# KiCad board EC60-Rev_1_1_1.kicad_pcb
title: EC60 PCB; date: 2023-11-17; rev: 1.1.1; company: LU.SV Solutions; note: Cipulot PCB Design; note: Cipulot; note: GNU General Public License v3.0
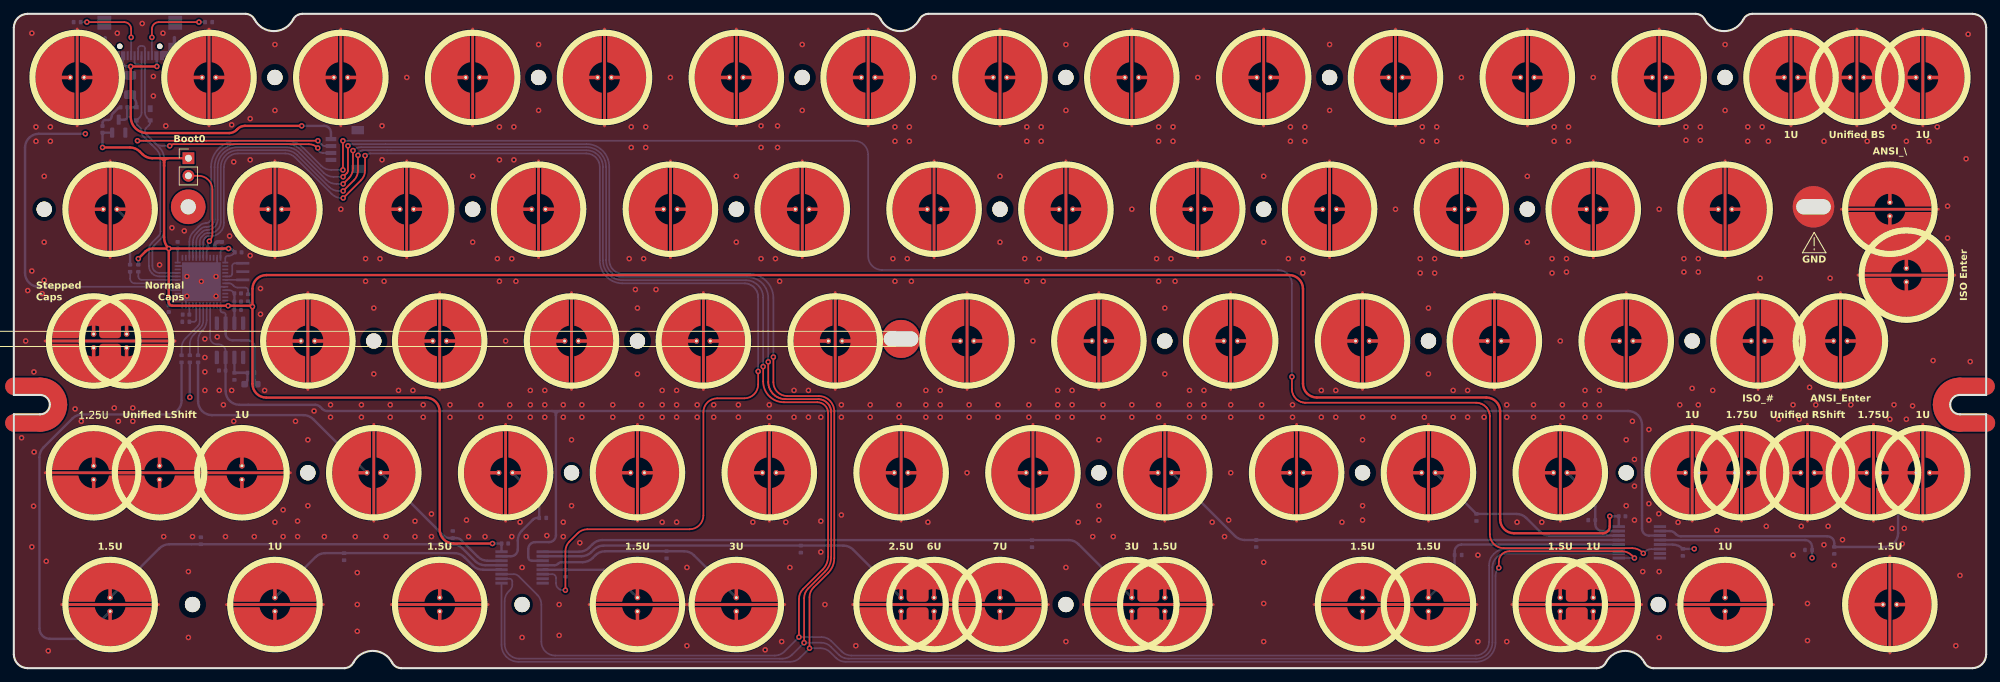
[diagram p0: board, top side]
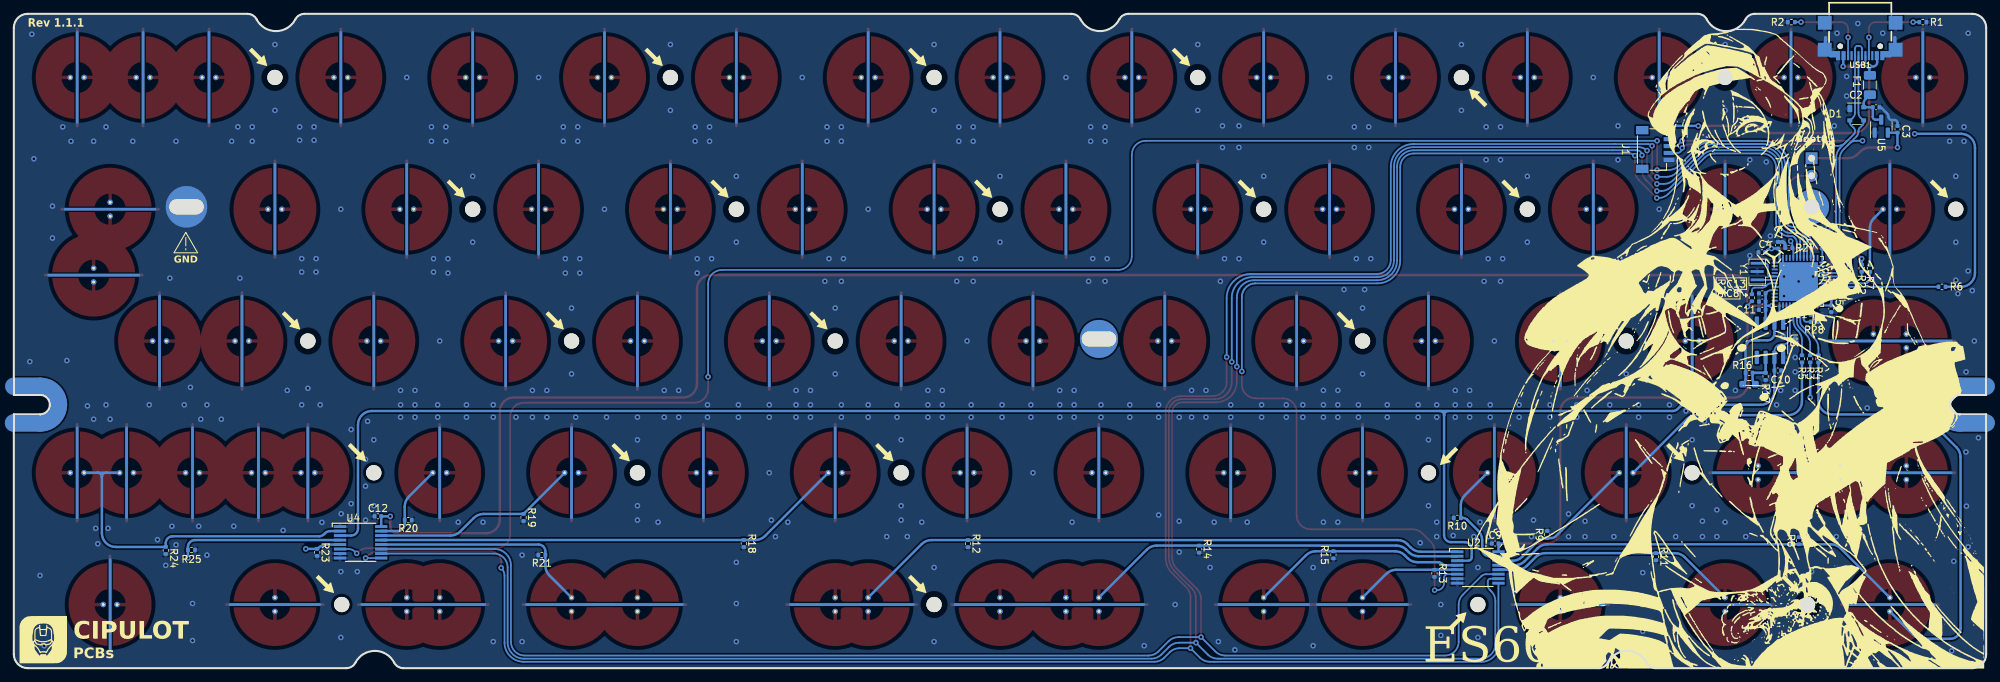
[diagram p1: board, bottom side, seen from below]

Outline 285 x 94.6 mm; copper layers: Top, In1.Cu, In2.Cu, Bottom. Coordinates in mm from the lower left corner of the outline.
Stack: Top 0.035mm / dielectric 0.2mm 7628 er 4.6 / In1.Cu 0.0175mm / dielectric 1.065mm FR4 er 4.5 / In2.Cu 0.0175mm / dielectric 0.2mm 7628 er 4.6 / Bottom 0.035mm

## Placement (name value [footprint] x y rotation side)
C1  4.7u  [C_0402_1005Metric]  24.88 51.11 180 bottom
C2  1u  [C_0402_1005Metric]  15.9 81.09 180 bottom
C3  1u  [C_0402_1005Metric]  12.81 77.9 90 bottom
C4  100n  [C_0402_1005Metric]  32.42 60.12 0 bottom
C5  100n  [C_0402_1005Metric]  22.39 51.97 270 bottom
C6  100n  [C_0402_1005Metric]  23.67 61.15 90 bottom
C7  100n  [C_0402_1005Metric]  30.07 61.14 90 bottom
C8  100n  [C_0402_1005Metric]  32.35 53 0 bottom
C9  100n  [C_0402_1005Metric]  70.95 18.02 180 bottom
C10  220p  [C_0402_1005Metric]  30.12 43.03 180 bottom
C11  100n  [C_0402_1005Metric]  32.35 51.81 180 bottom
C12  100n  [C_0402_1005Metric]  232.39 21.96 180 bottom
C13  1u  [C_0402_1005Metric]  32.35 54.19 0 bottom
D1  PRTR5V0U2X  [SOT-143]  18.7 80.14 180 bottom
F1  500mA  [Fuse_1206_3216Metric]  16.8 84.31 90 bottom
G***  LOGO  [EsdeathSilk]  35.93 47.3 180 bottom
G***#2  LOGO  [Cipulot_Logo_Silk]  271.09 4.12 180 bottom
H1  MountingHole  [HOLE_M2]  37.73 85.4 0 top
H2  MountingHole  [HOLE_M2]  152.03 85.4 0 top
H3  MountingHole  [HOLE_M2]  4.39 66.35 0 top
H4  MountingHole  [HOLE_M2]  42.49 28.25 0 top
H5  MountingHole  [HOLE_M2]  166.31 47.3 0 top
H6  MountingHole  [HOLE_M2]  52.01 47.3 0 top
H7  MountingHole  [HOLE_M2]  237.62 9.2 0 top
H8  MountingHole  [HOLE_M2]  75.83 85.4 180 top
H9  MountingHole  [HOLE_M2]  204.41 47.3 0 top
H10  MountingHole  [HOLE_M2]  242.51 47.3 0 top
H11  MountingHole  [HOLE_M2]  232.99 28.25 0 top
H12  MountingHole  [HOLE_M2]  156.79 28.25 0 top
H13  MountingHole  [HOLE_M2]  66.3 66.35 0 top
H14  MountingHole  [HOLE_M2]  218.7 66.35 0 top
H15  MountingHole  [HOLE_M2]  104.4 66.35 0 top
H16  MountingHole  [HOLE_M2]  180.6 66.35 0 top
H17  MountingHole  [HOLE_M2]  80.59 28.25 90 top
H18  MountingHole  [HOLE_M2]  194.89 28.25 0 top
H19  MountingHole  [HOLE_M2]  90.11 47.3 0 top
H20  MountingHole  [HOLE_M2]  113.93 85.4 0 top
H21  MountingHole  [HOLE_M2]  142.5 66.35 0 top
H22  MountingHole  [HOLE_M2]  190.12 85.4 0 top
H23  MountingHole  [HOLE_M2]  247.27 85.4 0 top
H24  MountingHole  [HOLE_M2]  25.82 9.2 0 top
H25  MountingHole  [HOLE_M2]  73.44 9.2 270 top
H26  MountingHole  [HOLE_M2]  152.03 9.2 0 top
J1  JST  [JST-SR-4]  47.76 74.98 270 bottom
JP1  Ext_Res  [R_0603_1608Metric_Pad0.98x0.95mm_HandSolder]  34.26 41.06 180 bottom
R1  5.1k  [R_0402_1005Metric]  9.15 93.4 0 bottom
R2  5.1k  [R_0402_1005Metric]  28.15 93.4 0 bottom
R3  100  [R_0402_1005Metric]  25.43 44.72 270 bottom
R4  100  [R_0402_1005Metric]  24.24 44.72 90 bottom
R5  100  [R_0402_1005Metric]  26.62 44.72 270 bottom
R6  100  [R_0402_1005Metric]  6.38 55.14 0 bottom
R7  100  [R_0402_1005Metric]  16.8 57.82 90 bottom
R8  100k  [R_0402_1005Metric]  27.02 18.42 90 bottom
R9  100k  [R_0402_1005Metric]  63.42 19.32 90 bottom
R10  100k  [R_0402_1005Metric]  76.42 21.72 0 bottom
R11  100k  [R_0402_1005Metric]  47.72 16.12 270 bottom
R12  100k  [R_0402_1005Metric]  147.12 18.01 270 bottom
R13  100k  [R_0402_1005Metric]  79.72 13.71 270 bottom
R14  100k  [R_0402_1005Metric]  113.72 17.21 270 bottom
R15  100k  [R_0402_1005Metric]  94.32 16.39 270 bottom
R16  100k  [R_0402_1005Metric]  34.26 42.69 180 bottom
R17  1k  [R_0402_1005Metric]  31.87 42.18 270 bottom
R18  100k  [R_0402_1005Metric]  179.52 18.02 270 bottom
R19  100k  [R_0402_1005Metric]  211.35 21.79 270 bottom
R20  100k  [R_0402_1005Metric]  228.01 21.4 180 bottom
R21  100k  [R_0402_1005Metric]  208.7 16.36 0 bottom
R22  100k  [R_0402_1005Metric]  17.99 57.82 90 bottom
R23  100k  [R_0402_1005Metric]  241.17 16.74 270 bottom
R24  100k  [R_0402_1005Metric]  263.05 17.02 270 bottom
R25  100k  [R_0402_1005Metric]  259.33 17.09 180 bottom
R26  10k  [R_0402_1005Metric]  33.86 53.55 90 bottom
R27  10k  [R_0402_1005Metric]  28.51 60.76 0 bottom
R28  10k  [R_0402_1005Metric]  24.85 50.08 0 bottom
REF**  Value  [ecs_7U_space_stab]  142.5 9.2 0 top
REF**#2  Value  [ecs_6U_space_stab]  132.97 9.2 0 top
REF**#3  60_Outline  [60_Outline-Modded-Extreme]  142.5 47.3 0 top
SW1  BOOT0  [PinHeader_1x02_P2.54mm_Vertical]  25.22 73.73 0 top
SW2  EC_SW  [ecs_pad_1U_no_ring]  9.15 85.4 0 top
SW3  EC_SW  [ecs_pad_1U_no_ring]  28.2 85.4 180 top
SW4  EC_SW  [ecs_pad_1U_no_ring]  47.25 85.4 180 top
SW5  EC_SW  [ecs_pad_1U_no_ring]  66.3 85.4 180 top
SW6  EC_SW  [ecs_pad_1U_no_ring]  85.35 85.4 180 top
SW7  EC_SW  [ecs_pad_1U_no_ring]  104.4 85.4 180 top
SW8  EC_SW  [ecs_pad_1U_no_ring]  123.45 85.4 180 top
SW9  EC_SW  [ecs_pad_1U_no_ring]  142.5 85.4 180 top
SW10  EC_SW  [ecs_pad_1U_no_ring]  161.55 85.4 180 top
SW11  EC_SW  [ecs_pad_1U_no_ring]  180.6 85.4 180 top
SW12  EC_SW  [ecs_pad_1U_no_ring]  199.65 85.4 180 top
SW13  EC_SW  [ecs_pad_1U_no_ring]  218.7 85.4 180 top
SW14  EC_SW  [ecs_pad_1U_no_ring]  237.75 85.4 180 top
SW15  EC_SW  [ecs_pad_1U_no_ring]  256.8 85.4 0 top
SW16  EC_SW  [ecs_pad_2U_no_ring]  266.32 85.4 180 top
SW17  EC_SW  [ecs_pad_1U_no_ring]  275.85 85.4 0 top
SW18  EC_SW  [ecs_pad_1U_no_ring]  13.91 66.35 0 top
SW19  EC_SW  [ecs_pad_1U_no_ring]  37.73 66.35 0 top
SW20  EC_SW  [ecs_pad_1U_no_ring]  56.78 66.35 0 top
SW21  EC_SW  [ecs_pad_1U_no_ring]  75.83 66.35 0 top
SW22  EC_SW  [ecs_pad_1U_no_ring]  94.88 66.35 0 top
SW23  EC_SW  [ecs_pad_1U_no_ring]  113.93 66.35 0 top
SW24  EC_SW  [ecs_pad_1U_no_ring]  132.97 66.35 0 top
SW25  EC_SW  [ecs_pad_1U_no_ring]  152.03 66.35 0 top
SW26  EC_SW  [ecs_pad_1U_no_ring]  171.08 66.35 0 top
SW27  EC_SW  [ecs_pad_1U_no_ring]  190.12 66.35 0 top
SW28  EC_SW  [ecs_pad_1U_no_ring]  209.18 66.35 0 top
SW29  EC_SW  [ecs_pad_1U_no_ring]  228.23 66.35 0 top
SW30  EC_SW  [ecs_pad_1U_no_ring]  247.27 66.35 0 top
SW31  ANSI_\  [ecs_pad_1U_no_ring]  271.09 66.35 270 top
SW32  ISO_Enter  [ecs_pad_2U_no_ring]  273.47 56.82 270 top
SW33  EC_SW  [ecs_pad_0.25U_spaced_no_ring]  16.29 47.3 0 top
SW34  EC_SW  [ecs_pad_1U_no_ring]  42.49 47.3 0 top
SW35  EC_SW  [ecs_pad_1U_no_ring]  61.54 47.3 0 top
SW36  EC_SW  [ecs_pad_1U_no_ring]  80.59 47.3 0 top
SW37  EC_SW  [ecs_pad_1U_no_ring]  99.64 47.3 0 top
SW38  EC_SW  [ecs_pad_1U_no_ring]  118.69 47.3 0 top
SW39  EC_SW  [ecs_pad_1U_no_ring]  137.74 47.3 0 top
SW40  EC_SW  [ecs_pad_1U_no_ring]  156.79 47.3 0 top
SW41  EC_SW  [ecs_pad_1U_no_ring]  175.84 47.3 0 top
SW42  EC_SW  [ecs_pad_1U_no_ring]  194.89 47.3 0 top
SW43  EC_SW  [ecs_pad_1U_no_ring]  213.94 47.3 0 top
SW44  EC_SW  [ecs_pad_1U_no_ring]  232.99 47.3 0 top
SW45  ISO_|  [ecs_pad_1U_no_ring]  252.04 47.3 0 top
SW46  ANSI_Enter  [ecs_pad_2U_no_ring]  263.94 47.3 0 top
SW47  EC_SW  [ecs_pad_1U_no_ring]  11.53 28.25 90 top
SW48  EC_SW  [ecs_pad_2U_no_ring_cut]  21.06 28.25 0 top
SW49  EC_SW  [ecs_pad_1U_no_ring_1u_edge_cut]  32.96 28.25 90 top
SW50  EC_SW  [ecs_pad_1U_no_ring]  52.01 28.25 180 top
SW51  EC_SW  [ecs_pad_1U_no_ring]  71.06 28.25 180 top
SW52  EC_SW  [ecs_pad_1U_no_ring]  90.11 28.25 180 top
SW53  EC_SW  [ecs_pad_1U_no_ring]  109.16 28.25 180 top
SW54  EC_SW  [ecs_pad_1U_no_ring]  128.21 28.25 180 top
SW55  EC_SW  [ecs_pad_1U_no_ring]  147.26 28.25 180 top
SW56  EC_SW  [ecs_pad_1U_no_ring]  166.31 28.25 180 top
SW57  EC_SW  [ecs_pad_1U_no_ring]  185.36 28.25 180 top
SW58  EC_SW  [ecs_pad_1U_no_ring]  204.41 28.25 180 top
SW59  EC_SW  [ecs_pad_1U_no_ring]  223.46 28.25 180 top
SW60  EC_SW_1u&1.75u  [ecs_pad_2.666U_spaced_no_ring_vertical]  249.66 28.25 0 top
SW61  EC_SW  [ecs_pad_2U_no_ring]  259.18 28.25 0 top
SW62  EC_SW_1u&1.75u  [ecs_pad_2.666U_spaced_no_ring_vertical]  275.85 28.25 0 top
SW63  EC_SW  [ecs_pad_1U_no_ring]  13.91 9.2 270 top
SW64  EC_SW  [ecs_pad_1U_no_ring]  37.73 9.2 270 top
SW65  EC_SW  [ecs_pad_1U_no_ring]  61.54 9.2 270 top
SW66  EC_SW  [ecs_pad_1U_no_ring]  90.11 9.2 270 top
SW67  EC_SW  [ecs_pad_1U_no_ring]  104.4 9.2 270 top
SW68  EC_SW  [ecs_pad_0.25U_spaced_no_ring]  132.97 9.2 0 top
SW69  EC_SW  [ecs_pad_0.25U_spaced_no_ring]  166.31 9.2 0 top
SW70  EC_SW  [ecs_pad_1U_no_ring]  194.89 9.2 270 top
SW71  EC_SW  [ecs_pad_0.25U_spaced_no_ring]  228.23 9.2 0 top
SW72  EC_SW  [ecs_pad_1U_no_ring]  247.27 9.2 270 top
SW73  EC_SW  [ecs_pad_1U_no_ring]  271.09 9.2 0 top
SW74  EC_SW  [ecs_pad_1U_no_ring]  204.41 9.2 270 top
SW75  EC_SW  [ecs_pad_1U_no_ring]  142.5 9.2 270 top
U1  STM32F401CBUx  [QFN-48-1EP_7x7mm_P0.5mm_EP5.6x5.6mm]  27.11 55.89 180 bottom
U2  74HC4051  [TSSOP16]  73.44 14.56 270 bottom
U3  OPA350  [SOIC-8_3.9x4.9mm_P1.27mm]  31.23 47.4 90 bottom
U4  74HC4051  [TSSOP16]  234.89 18.2 270 bottom
U5  XC6206PxxxMR  [SOT-23]  15.16 78.36 90 bottom
USB1  -  [TYPEC-304YSSW-ACP16]  18.2 96.2 0 bottom
Y1  8 MHz  [Resonator_SMD_Murata_CSTxExxV-3Pin_3.0x1.1mm]  33.08 57.34 90 bottom

## Library data of the parts
C1 = -: Description: Unpolarized capacitor; LCSC: C23733
C2 C3 C13 = -: Description: Unpolarized capacitor; LCSC: C52923
C4-C9 C11 C12 = -: Description: Unpolarized capacitor; LCSC: C307331
C10 = -: Description: Unpolarized capacitor; LCSC: C1530
D1 = -: Description: Ultra low capacitance double rail-to-rail ESD protection diode, SOT-143; LCSC: C2827688
F1 = -: Description: Resettable fuse, polymeric positive temperature coefficient; LCSC: C70076
H1-H26 = -: Description: Mounting Hole without connection
J1 = -: Description: Generic connector, single row, 01x04, script generated (kicad-library-utils/schlib/autogen/connector/); LCSC: C145956
JP1 SW1 = -: Description: Jumper, 2-pole, open
R1 R2 = -: Description: Resistor; LCSC: C25905
R3-R7 = -: Description: Resistor; LCSC: C25076
R8-R16 R18-R25 = -: Description: Resistor; LCSC: C25741
R17 = -: Description: Resistor; LCSC: C11702
R26-R28 = -: Description: Resistor; LCSC: C25744
U1 = -: Description: ARM Cortex-M4 MCU, 128KB flash, 64KB RAM, 84MHz, 1.7-3.6V, 36 GPIO, UFQFPN-48; LCSC: C118825
U2 U4 = -: Description: 8-channel analog multiplexer/demultiplexer, DIP-16/SOIC-16/TSSOP-16; LCSC: C5645
U3 = -: LCSC: C13388
U5 = -: Description: Positive 60-250mA Low Dropout Regulator, Fixed Output, SOT-23; LCSC: C5446
USB1 = -: LCSC: C2840392
Y1 = -: Description: Three pin ceramic resonator, small symbol; LCSC: C907975

## Footprints (pads in the part's own frame, mm; a bottom-side part is the same pattern mirrored in y, then rotated)
60_Outline-Modded-Extreme
  round 5 hole 2.2: 1(-117.3,19.4)
  round 5.5 hole 5x2.2: 1(-14.3,0.3)
  round 6 hole 5x2.2: 1(117.55,19.4)
C_0402_1005Metric
  rrect 0.56x0.62 smd: 1(-0.48,0) 2(0.48,0)
ecs_pad_0.25U_spaced_no_ring
  round 0.8 hole 0.4: 1(-4.763,1.002) 1(0,1.002) 2(-4.763,-0.998) 2(0,-1.002)
  custom 16.736x5.6 smd: 1(0,1.002) 2(0,-1.002)
  custom 19.163x0.4 smd: 3(0,0)
  custom 18.163x0.4 smd far side: 3(0,0)
ecs_pad_1U_no_ring
  custom 5.595x11.973 smd: 1(-1,0) 2(1,0)
  round 0.8 hole 0.4: 1(-1,0) 2(1,0)
  custom 0.4x14.4 smd: 3(0,0)
  custom 0.4x13.4 smd far side: 3(0,0)
ecs_pad_1U_no_ring_1u_edge_cut
  custom 5.595x11.722 smd: 1(-1,0) 2(1,0)
  round 0.8 hole 0.4: 1(-1,0) 2(1,0)
  custom 0.4x14.4 smd: 3(0,0)
  custom 0.4x13.4 smd far side: 3(0,0)
ecs_pad_2.666U_spaced_no_ring_vertical
  custom 5.595x11.973 smd: 1(-8.145,0) 3(1.001,0)
  round 0.8 hole 0.4: 1(-8.145,0) 2(-6.143,0) 2(-1.001,0) 3(1.001,0)
  custom 6.344x11.974 smd: 2(-1.001,0)
  custom 0.4x14.4 smd: 4(-7.144,0) 4(0,0)
  custom 0.4x13.4 smd far side: 4(-7.144,0) 4(0,0)
ecs_pad_2U_no_ring
  custom 5.595x11.973 smd: 1(-1,0) 2(1,0)
  round 0.8 hole 0.4: 1(-1,0) 2(1,0)
  custom 0.4x14.4 smd: 3(0,0)
  custom 0.4x13.4 smd far side: 3(0,0)
ecs_pad_2U_no_ring_cut
  custom 11.722x5.595 smd: 1(0,1) 2(0,-1)
  round 0.8 hole 0.4: 1(0,1) 2(0,-1)
  custom 14.4x0.4 smd: 3(0,0)
  custom 13.4x0.4 smd far side: 3(0,0)
Fuse_1206_3216Metric
  rrect 1.25x1.75 smd: 1(-1.4,0) 2(1.4,0)
HOLE_M2
  round 2.2 hole 2.2 unplated: (0,0)
JST-SR-4
  rect 1.2x1.8 smd: (-2.8,-1.938) (2.8,-1.938)
  rect 0.6x1.55 smd: 1(-1.5,1.938) 2(-0.5,1.938) 3(0.5,1.938) 4(1.5,1.938)
PinHeader_1x02_P2.54mm_Vertical
  rect 1.7x1.7 hole 1: 1(0,0)
  oval 1.7x1.7 hole 1: 2(0,-2.54)
QFN-48-1EP_7x7mm_P0.5mm_EP5.6x5.6mm
  rrect 1.13x1.13 smd: (-2.1,-2.1) (-2.1,-0.7) (-2.1,0.7) (-2.1,2.1) (-0.7,-2.1) (-0.7,-0.7) (-0.7,0.7) (-0.7,2.1) (0.7,-2.1) (0.7,-0.7) (0.7,0.7) (0.7,2.1) (2.1,-2.1) (2.1,-0.7) (2.1,0.7) (2.1,2.1)
  rrect 0.875x0.25 smd: 1(-3.438,2.75) 2(-3.438,2.25) 3(-3.438,1.75) 4(-3.438,1.25) 5(-3.438,0.75) 6(-3.438,0.25) 7(-3.438,-0.25) 8(-3.438,-0.75) 9(-3.438,-1.25) 10(-3.438,-1.75) 11(-3.438,-2.25) 12(-3.438,-2.75) 25(3.438,-2.75) 26(3.438,-2.25) 27(3.438,-1.75) 28(3.438,-1.25) 29(3.438,-0.75) 30(3.438,-0.25) 31(3.438,0.25) 32(3.438,0.75) 33(3.438,1.25) 34(3.438,1.75) 35(3.438,2.25) 36(3.438,2.75)
  rrect 0.25x0.875 smd: 13(-2.75,-3.438) 14(-2.25,-3.438) 15(-1.75,-3.438) 16(-1.25,-3.438) 17(-0.75,-3.438) 18(-0.25,-3.438) 19(0.25,-3.438) 20(0.75,-3.438) 21(1.25,-3.438) 22(1.75,-3.438) 23(2.25,-3.438) 24(2.75,-3.438) 37(2.75,3.438) 38(2.25,3.438) 39(1.75,3.438) 40(1.25,3.438) 41(0.75,3.438) 42(0.25,3.438) 43(-0.25,3.438) 44(-0.75,3.438) 45(-1.25,3.438) 46(-1.75,3.438) 47(-2.25,3.438) 48(-2.75,3.438)
  rect 5.6x5.6 smd: 49(0,0)
R_0402_1005Metric
  rrect 0.54x0.64 smd: 1(-0.51,0) 2(0.51,0)
R_0603_1608Metric_Pad0.98x0.95mm_HandSolder
  rrect 0.975x0.95 smd: 1(-0.912,0) 2(0.912,0)
Resonator_SMD_Murata_CSTxExxV-3Pin_3.0x1.1mm
  rect 0.4x1.9 smd: 1(-1.2,0) 2(0,0) 3(1.2,0)
SOIC-8_3.9x4.9mm_P1.27mm
  rrect 1.95x0.6 smd: 1(-2.475,1.905) 2(-2.475,0.635) 3(-2.475,-0.635) 4(-2.475,-1.905) 5(2.475,-1.905) 6(2.475,-0.635) 7(2.475,0.635) 8(2.475,1.905)
SOT-23
  rrect 1.475x0.6 smd: 1(-0.938,0.95) 2(-0.938,-0.95) 3(0.938,0)
SOT-143
  rect 0.7x1 smd: 1(-1,0.75)
  rect 0.7x0.6 smd: 2(-1,-0.95) 3(1,-0.95) 4(1,0.95)
TSSOP16
  rect 0.419x1.778 smd: 1(-2.273,-2.974) 2(-1.623,-2.974) 3(-0.973,-2.974) 4(-0.323,-2.974) 5(0.323,-2.974) 6(0.973,-2.974) 7(1.623,-2.974) 8(2.273,-2.974) 9(2.273,2.974) 10(1.623,2.974) 11(0.973,2.974) 12(0.323,2.974) 13(-0.323,2.974) 14(-0.973,2.974) 15(-1.623,2.974) 16(-2.273,2.974)
TYPEC-304YSSW-ACP16
  round 0.8 hole 0.8 unplated: (-2.89,6.29) (2.89,6.29)
  rect 0.6x1.3 smd: 1(-3.2,7.65) 2(-2.4,7.65) 11(2.4,7.65) 12(3.2,7.65)
  rect 0.3x1.3 smd: 3(-1.75,7.65) 4(-1.25,7.65) 5(-0.75,7.65) 6(-0.25,7.65) 7(0.25,7.65) 8(0.75,7.65) 9(1.25,7.65) 10(1.75,7.65)
  rect 2x2 smd: 13(-5.12,2.89) 13(-5.12,6.79) 13(5.12,2.89) 13(5.12,6.79)

## Nets
+5V: C2.1 D1.4 F1.1 U5.3
GND: C1.2 C2.2 C3.2 C4.2 C5.2 C6.2 C7.2 C8.2 C9.1 C10.2 C11.1 C12.1 C13.2 D1.1 J1.4 R1.1 R2.2 R8.2 R9.2 R10.2 R11.2 R12.2 R13.2 R14.2 R15.2 R17.2 R18.2 R19.2 R20.2 R21.2 R23.2 R24.2 R25.2 R27.2 R28.1 REF**#3.1 SW2.3 SW3.3 SW4.3 SW5.3 SW6.3 SW7.3 SW8.3 SW9.3 SW10.3 SW11.3 SW12.3 SW13.3 SW14.3 SW15.3 SW16.3 SW17.3 SW18.3 SW19.3 SW20.3 SW21.3 SW22.3 SW23.3 SW24.3 SW25.3 SW26.3 SW27.3 SW28.3 SW29.3 SW30.3 SW31.3 SW32.3 SW33.3 SW34.3 SW35.3 SW36.3 SW37.3 SW38.3 SW39.3 SW40.3 SW41.3 SW42.3 SW43.3 SW44.3 SW45.3 SW46.3 SW47.3 SW48.3 SW49.3 SW50.3 SW51.3 SW52.3 SW53.3 SW54.3 SW55.3 SW56.3 SW57.3 SW58.3 SW59.3 SW60.4 SW61.3 SW62.4 SW63.3 SW64.3 SW65.3 SW66.3 SW67.3 SW68.3 SW69.3 SW70.3 SW71.3 SW72.3 SW73.3 SW74.3 SW75.3 U1.8 U1.23 U1.35 U1.47 U1.49 U2.7 U2.8 U3.4 U4.1 U4.7 U4.8 U5.1 USB1.1 USB1.12 USB1.13 Y1.2
VBAT: C3.1 C4.1 C5.1 C6.1 C7.1 C8.1 C9.2 C11.2 C12.2 C13.1 R22.2 R26.1 SW1.1 U1.1 U1.9 U1.24 U1.36 U1.48 U2.16 U3.7 U4.16 U5.2
VBUS: F1.2 J1.1 USB1.2 USB1.11
ADC: JP1.1 R16.1 U1.13 U3.6
AMUX_SEL_0: U1.42 U2.11 U4.11
AMUX_SEL_1: U1.41 U2.10 U4.10
AMUX_SEL_2: U1.40 U2.9 U4.9
APLEX_EN_PIN_0: U1.43 U2.6
APLEX_EN_PIN_1: U1.39 U4.6
APLEX_OUT_PIN_0: C10.1 U1.16 U2.3 U3.3 U4.3
BOOT0: R27.1 SW1.2 U1.44
BOOT1: R28.2 U1.20
COL0: R8.1 SW2.1 SW18.1 SW33.1 SW47.2 SW48.1 SW63.1 U2.13
COL1: R11.1 SW3.1 SW19.1 SW34.1 SW49.2 SW64.1 U2.12
COL2: R9.1 SW4.1 SW20.1 SW35.1 SW50.1 SW65.1 U2.14
COL3: R10.1 SW5.1 SW21.1 SW36.1 SW51.1 U2.15
COL4: R13.1 SW6.1 SW22.1 SW37.1 SW52.1 SW66.1 U2.5
COL5: R15.1 SW7.1 SW23.1 SW38.1 SW53.1 SW67.1 U2.4
COL6: R14.1 SW8.1 SW24.1 SW39.1 SW54.1 SW68.1 SW75.1 U2.2
COL7: R12.1 SW9.1 SW25.1 SW40.1 SW55.1 SW69.1 U2.1
COL8: R18.1 SW10.1 SW26.1 SW41.1 SW56.1 U4.13
COL9: R21.1 SW11.1 SW27.1 SW42.1 SW57.1 SW70.1 SW74.1 U4.12
COL10: R19.1 SW12.1 SW28.1 SW43.1 SW58.1 SW71.1 U4.14
COL11: R20.1 SW13.1 SW29.1 SW44.1 SW59.1 SW72.1 U4.15
COL12: R23.1 SW14.1 SW30.1 SW45.1 SW60.1 SW73.1 U4.5
COL13: R25.1 SW15.1 SW31.1 SW32.2 SW46.2 SW60.3 SW61.1 U4.4
COL14: R24.1 SW16.1 SW17.1 SW62.2 U4.2
D+: D1.2 J1.3 U1.33 USB1.6 USB1.8
D-: D1.3 J1.2 U1.32 USB1.5 USB1.7
NRST: R26.2 U1.7
ROW0: R6.1 SW2.2 SW3.2 SW4.2 SW5.2 SW6.2 SW7.2 SW8.2 SW9.2 SW10.2 SW11.2 SW12.2 SW13.2 SW14.2 SW15.2 SW16.2 SW17.2
ROW1: R7.2 SW18.2 SW19.2 SW20.2 SW21.2 SW22.2 SW23.2 SW24.2 SW25.2 SW26.2 SW27.2 SW28.2 SW29.2 SW30.2 SW31.2 SW32.1
ROW2: R3.2 SW33.2 SW34.2 SW35.2 SW36.2 SW37.2 SW38.2 SW39.2 SW40.2 SW41.2 SW42.2 SW43.2 SW44.2 SW45.2 SW46.1
ROW3: R5.2 SW47.1 SW48.2 SW49.1 SW50.2 SW51.2 SW52.2 SW53.2 SW54.2 SW55.2 SW56.2 SW57.2 SW58.2 SW59.2 SW60.2 SW62.3
ROW4: R4.1 SW61.2 SW62.1 SW63.2 SW64.2 SW65.2 SW66.2 SW67.2 SW68.2 SW69.2 SW70.2 SW71.2 SW72.2 SW73.2 SW74.2 SW75.2
SWCLK: U1.37
SWDIO: U1.34
XTAL0: U1.5 Y1.3
XTAL1: U1.6 Y1.1
Net-(JP1-B): JP1.2 R16.2 R17.1 U3.2
Net-(U1-PA7): R5.1 U1.17
Net-(U1-PA8): R7.1 U1.29
Net-(U1-PA10): R22.1 U1.31
Net-(U1-PB0): R3.1 U1.18
Net-(U1-PB1): R4.2 U1.19
Net-(U1-PB15): R6.2 U1.28
Net-(U1-VCAP1): C1.1 U1.22
Net-(USB1-CC1): R1.2 USB1.4
Net-(USB1-CC2): R2.1 USB1.10

Pads without a net: U1 2 3 4 10 11 12 14 15 21 25 26 27 30 38 45 46; U3 1 5 8; USB1 3 9

## Via types
v1: diameter 0.8, hole 0.4, Top to Bottom, 488 vias

## Routing (per net, layer and track width the routed paths; a pad name or vN(x,y) marks a point on that pad's centre or on a via; arc(x,y) is an arc through that point)
+5V: length 6.3
  Bottom w0.35: F1.1 17.44,82.27 arc(17.63,81.98) 17.7,81.64 D1.4 C2.1 16.38,79.69 arc(16.27,79.41) 15.99,79.3 U5.3
GND: length 27.3
  Bottom w0.25: v1(25.01,53.79) 24.86,53.64 U1.23 ; 25.01,57.99 24.86,58.14 U1.35 ; U1.8 27.1,55.14 v1(27.1,55.91) ; U1.47 29.36,58.14 29.21,57.99
  Bottom w0.35: C3.2 12.81,78.84 arc(12.93,79.13) 13.23,79.25 13.67,79.25 arc(13.99,79.38) 14.12,79.7 arc(14.17,79.97) 14.33,80.21 15.07,80.95 arc(15.23,81.06) C2.2
  Bottom w0.5: R27.2 29.02,61 arc(29.08,61.3) 29.25,61.56 arc(29.33,61.61) 29.43,61.63 30.05,61.63 arc(30.06,61.63) C7.2 ; USB1.13 22.46,88.55 USB1.12 ; 23.2,91.16 23.2,89.4 22.78,88.98 21.42,88.98 21.42,88.5 ; USB1.13 13.94,88.55 USB1.1 ; 13.2,91.16 13.2,89.4 13.62,88.98 14.98,88.98 14.98,88.5
  vias: v1(1.11,33.31) v1(1.71,47.3) v1(2.01,54.59) v1(2.6,91.8) v1(2.6,57.42) v1(2.6,17.53) v1(2.9,42.84) v1(2.93,31.25) v1(2.85,23.42) v1(3.2,78.26) v1(3.2,76.17) v1(4.09,54.15) v1(4.39,71.11) v1(4.39,61.59) v1(4.39,56.08) v1(4.69,15.45) v1(4.98,2.5) v1(5.28,78.26) v1(5.28,76.17) v1(8.85,37.48) v1(9.75,35.69) v1(14.51,37.63) v1(14.95,91.8) v1(15.1,35.69) v1(17.19,37.63) v1(17.19,35.69) v1(18.55,93.2) v1(20.16,85.55) v1(20.16,82.72) v1(21.06,58.31) v1(21.55,91.8) v1(21.65,19.02) v1(21.95,78.41) v1(22.84,63.67) v1(24.63,63.22) v1(25.01,56.63) v1(25.22,13.96) v1(25.22,4.44) v1(25.82,19.02) v1(27.6,47.6) v1(27.6,44.92) v1(27.6,42.84) v1(27.6,40.16) v1(29.21,56.63) v1(29.21,53.79) v1(29.39,47.9) v1(29.69,40.16) v1(30.28,38.07) v1(30.58,19.02) v1(31.18,62.48) v1(31.47,78.55) v1(31.47,40.16) v1(31.77,73.2) v1(31.77,35.69) v1(34.15,79.45) v1(34.15,73.49) v1(34.15,59.65) v1(34.75,19.02) v1(35.64,54.89) v1(35.64,51.17) v1(36.24,40.16) v1(37.73,90.16) v1(37.73,80.64) v1(37.73,21.11) v1(38.92,22.89) v1(38.92,19.02) v1(40.7,35.69) v1(41,21.25) v1(41,19.02) v1(42.49,33.01) v1(42.49,23.49) v1(43.38,37.18) v1(44.87,19.02) v1(45.76,38.07) v1(45.76,36.29) v1(47.25,66.35) v1(49.33,19.02) v1(49.63,13.81) v1(49.63,9.2) v1(49.63,5.33) v1(50.23,38.07) v1(50.23,36.29) v1(50.82,59.21) v1(50.82,55.93) v1(52.01,52.06) v1(52.01,42.54) v1(52.91,59.21) v1(53.2,78.41) v1(53.2,73.49) v1(53.5,55.93) v1(53.8,19.02) v1(54.39,38.07) v1(54.39,36.29) v1(55.58,40.16) v1(56.78,85.4) v1(57.67,40.16) v1(57.97,21.25) v1(57.97,19.02) v1(59.16,38.07) v1(59.16,36.29) v1(60.35,22.3) v1(60.35,19.02) v1(63.03,38.07) v1(63.03,36.29) v1(65.41,21.4) v1(65.7,19.02) v1(66.3,71.11) v1(66.3,61.59) v1(67.49,38.07) v1(67.49,36.29) v1(68.09,19.02) v1(69.87,59.21) v1(70.17,78.26) v1(70.17,73.49) v1(70.17,55.93) v1(71.06,47.3) v1(71.66,38.07) v1(71.66,36.29) v1(71.96,59.21) v1(71.96,19.02) v1(72.25,78.26) v1(72.25,73.49) v1(72.55,55.93) v1(73.15,21.11) v1(73.44,14.56) v1(73.44,4.44) v1(74.04,19.02) v1(74.63,40.16) v1(74.63,38.07) v1(74.63,36.29) v1(75.83,90.16) v1(75.83,80.64) v1(76.72,40.16) v1(76.72,38.07) v1(76.72,36.29) v1(77.02,19.17) v1(78.8,9.2) v1(78.8,4.73) v1(79.4,38.07) v1(79.4,36.29) v1(79.4,21.11) v1(79.4,19.02) v1(80.59,33.01) v1(80.59,23.49) v1(81.78,18.13) v1(82.08,38.07) v1(82.08,36.29) v1(86.54,38.07) v1(86.54,36.29) v1(88.92,59.21) v1(89.22,78.26) v1(89.22,75.28) v1(89.82,54.74) v1(90.11,52.06) v1(90.11,42.54) v1(90.71,38.07) v1(90.71,36.29) v1(91.01,59.21) v1(91.3,78.26) v1(91.3,75.28) v1(92.79,54.74) v1(93.68,40.16) v1(93.68,38.07) v1(93.68,36.29) v1(93.68,21.11) v1(94.88,85.4) v1(95.77,40.16) v1(95.77,38.07) v1(95.77,36.29) v1(95.77,21.11) v1(97.26,14.56) v1(97.26,3.25) v1(98.74,38.07) v1(98.74,36.29) v1(101.13,38.07) v1(101.13,36.29) v1(104.4,71.11) v1(104.4,61.59) v1(104.7,38.07) v1(104.7,36.29) v1(106.78,21.11) v1(107.97,78.41) v1(107.97,75.28) v1(107.97,59.21) v1(108.57,2.65) v1(109.16,38.07) v1(109.16,36.29) v1(110.06,59.21) v1(110.35,78.41) v1(110.35,75.28) v1(110.65,55.93) v1(110.95,3.84) v1(111.54,21.11) v1(112.14,14.56) v1(112.73,40.16) v1(112.73,36.29) v1(113.93,90.16) v1(113.93,80.64) v1(114.82,40.16) v1(114.82,36.29) v1(116.6,36.29) v1(116.6,21.25) v1(116.6,16.79) v1(117.2,9.2) v1(119.58,38.07) v1(119.58,36.29) v1(119.58,22.15) v1(121.66,3.25) v1(123.75,38.07) v1(123.75,36.29) v1(127.02,59.21) v1(127.32,78.26) v1(127.32,76.17) v1(127.32,55.93) v1(127.92,38.07) v1(127.92,36.29) v1(129.11,59.21) v1(129.4,78.26) v1(129.4,76.17) v1(129.7,55.93) v1(131.78,40.16) v1(131.78,38.07) v1(131.78,36.29) v1(132.08,21.11) v1(132.97,85.4) v1(133.87,40.16) v1(133.87,38.07) v1(133.87,36.29) v1(137.74,28.25) v1(138.04,38.07) v1(138.04,36.29) v1(142.2,38.07) v1(142.2,36.29) v1(142.5,71.11) v1(142.5,61.59) v1(146.07,59.21) v1(146.37,78.26) v1(146.37,76.17) v1(146.37,55.93) v1(146.67,38.07) v1(146.67,36.29) v1(147.26,47.3) v1(148.16,59.21) v1(148.45,78.26) v1(148.45,76.17) v1(148.75,55.93) v1(150.83,40.16) v1(150.83,38.07) v1(150.83,36.29) v1(152.03,90.16) v1(152.03,80.64) v1(152.03,14.56) v1(152.03,3.84) v1(152.92,40.16) v1(152.92,38.07) v1(152.92,36.29) v1(153.81,21.11) v1(155.89,19.02) v1(156.79,33.01) v1(156.79,23.49) v1(156.79,21.4) v1(157.38,38.07) v1(157.38,36.29) v1(158.87,19.02) v1(161.55,66.35) v1(161.55,38.07) v1(161.55,36.29) v1(165.12,59.21) v1(165.42,78.26) v1(165.42,76.17) v1(165.42,55.93) v1(165.42,38.07) v1(165.42,36.29) v1(166.31,52.06) v1(166.31,42.54) v1(167.21,59.21) v1(167.5,78.26) v1(167.5,76.17) v1(167.8,55.93) v1(169.88,40.16) v1(169.88,38.07) v1(169.88,36.29) v1(171.08,85.4) v1(171.97,40.16) v1(171.97,38.07) v1(171.97,36.29) v1(173.16,21.11) v1(174.94,19.02) v1(175.54,21.4) v1(175.84,38.07) v1(175.84,36.29) v1(175.84,28.25) v1(180.3,38.07) v1(180.3,36.29) v1(180.6,71.11) v1(180.6,61.59) v1(180.6,15.3) v1(180.6,9.35) v1(180.6,3.84) v1(184.17,59.21) v1(184.47,78.26) v1(184.47,76.17) v1(184.77,38.07) v1(184.77,36.29) v1(186.26,59.21) v1(186.26,57.12) v1(186.55,78.26) v1(186.55,76.17) v1(188.93,40.16) v1(188.93,36.29) v1(190.12,90.16) v1(190.12,80.64) v1(191.02,40.16) v1(191.02,36.29) v1(191.91,21.11) v1(194.89,36.29) v1(194.89,33.01) v1(194.89,23.49) v1(194.89,21.4) v1(199.35,36.29) v1(199.65,66.35) v1(203.22,59.21) v1(203.22,57.12) v1(203.52,78.26) v1(203.52,76.17) v1(203.82,36.29) v1(204.41,52.06) v1(204.41,42.54) v1(205.31,59.21) v1(205.31,57.12) v1(205.6,78.26) v1(205.6,76.17) v1(207.98,40.16) v1(207.98,36.29) v1(209.18,85.4) v1(210.07,40.16) v1(210.07,36.29) v1(211.56,16.34) v1(211.56,3.84) v1(212.45,36.29) v1(215.72,38.07) v1(215.72,36.29) v1(215.72,3.84) v1(217.21,21.11) v1(218.7,71.11) v1(218.7,61.59) v1(219.59,38.07) v1(219.59,36.29) v1(220.78,21.11) v1(222.27,59.21) v1(222.27,57.12) v1(222.57,78.26) v1(222.57,76.17) v1(223.46,47.3) v1(223.76,38.07) v1(223.76,36.29) v1(224.36,59.21) v1(224.36,57.27) v1(224.65,78.26) v1(224.65,76.17) v1(227.03,40.16) v1(227.03,38.07) v1(227.03,36.29) v1(228.23,85.4) v1(229.12,40.16) v1(229.12,38.07) v1(229.12,36.29) v1(232.99,33.01) v1(232.99,23.49) v1(233.88,35.69) v1(234.18,30.18) v1(234.18,26.31) v1(234.18,21.4) v1(235.37,13.96) v1(236.26,34.5) v1(236.26,23.78) v1(236.26,21.4) v1(237.7,22.33) v1(237.75,66.35) v1(237.75,13.96) v1(237.75,4.44) v1(240.48,21.08) v1(240.73,38.07) v1(241.32,59.21) v1(241.32,57.27) v1(241.62,78.26) v1(241.62,76.32) v1(242.51,40.45) v1(243.41,59.21) v1(243.41,57.27) v1(243.41,38.07) v1(243.7,78.26) v1(243.7,76.32) v1(245.49,40.16) v1(246.08,19.92) v1(247.27,90.16) v1(247.27,80.64) v1(250.55,78.26) v1(250.55,76.17) v1(252.34,56.38) v1(252.63,78.26) v1(253.23,20.51) v1(253.53,76.17) v1(255.01,35.99) v1(257.1,38.07) v1(257.1,16.34) v1(257.99,35.99) v1(258.29,20.51) v1(259.18,9.35) v1(259.18,3.99) v1(259.48,40.6) v1(260.37,38.07) v1(261.56,76.17) v1(261.56,17.83) v1(262.16,20.51) v1(262.46,56.38) v1(263.05,14.86) v1(264.24,18.58) v1(265.43,38.07) v1(267.81,76.17) v1(271.09,35.99) v1(271.39,20.21) v1(271.68,78.26) v1(271.68,38.07) v1(272.87,17.98) v1(273.17,20.21) v1(273.47,76.17) v1(273.47,35.99) v1(274.36,37.92) v1(276.74,76.17) v1(277.34,44.47) v1(277.93,78.26) v1(279.42,66.8) v1(279.42,62.18) v1(280.61,3.25) v1(281.22,13.4) v1(282.1,73.64) v1(282.4,91.65) v1(282.7,44.32)